# Altium PCB PCB_CARTE_SON.PcbDoc (part 5 of 5)
Units mil, origin at the board's own origin, x right, y up, seen from the top; angles counter-clockwise.
Board outline 6000 x 4000 mil, 2 copper layers (Top Layer, Bottom Layer); 1714 components, 935 nets, 4585 pads, 9 vias.
Unrouted connection lines stored in the file: 2325.
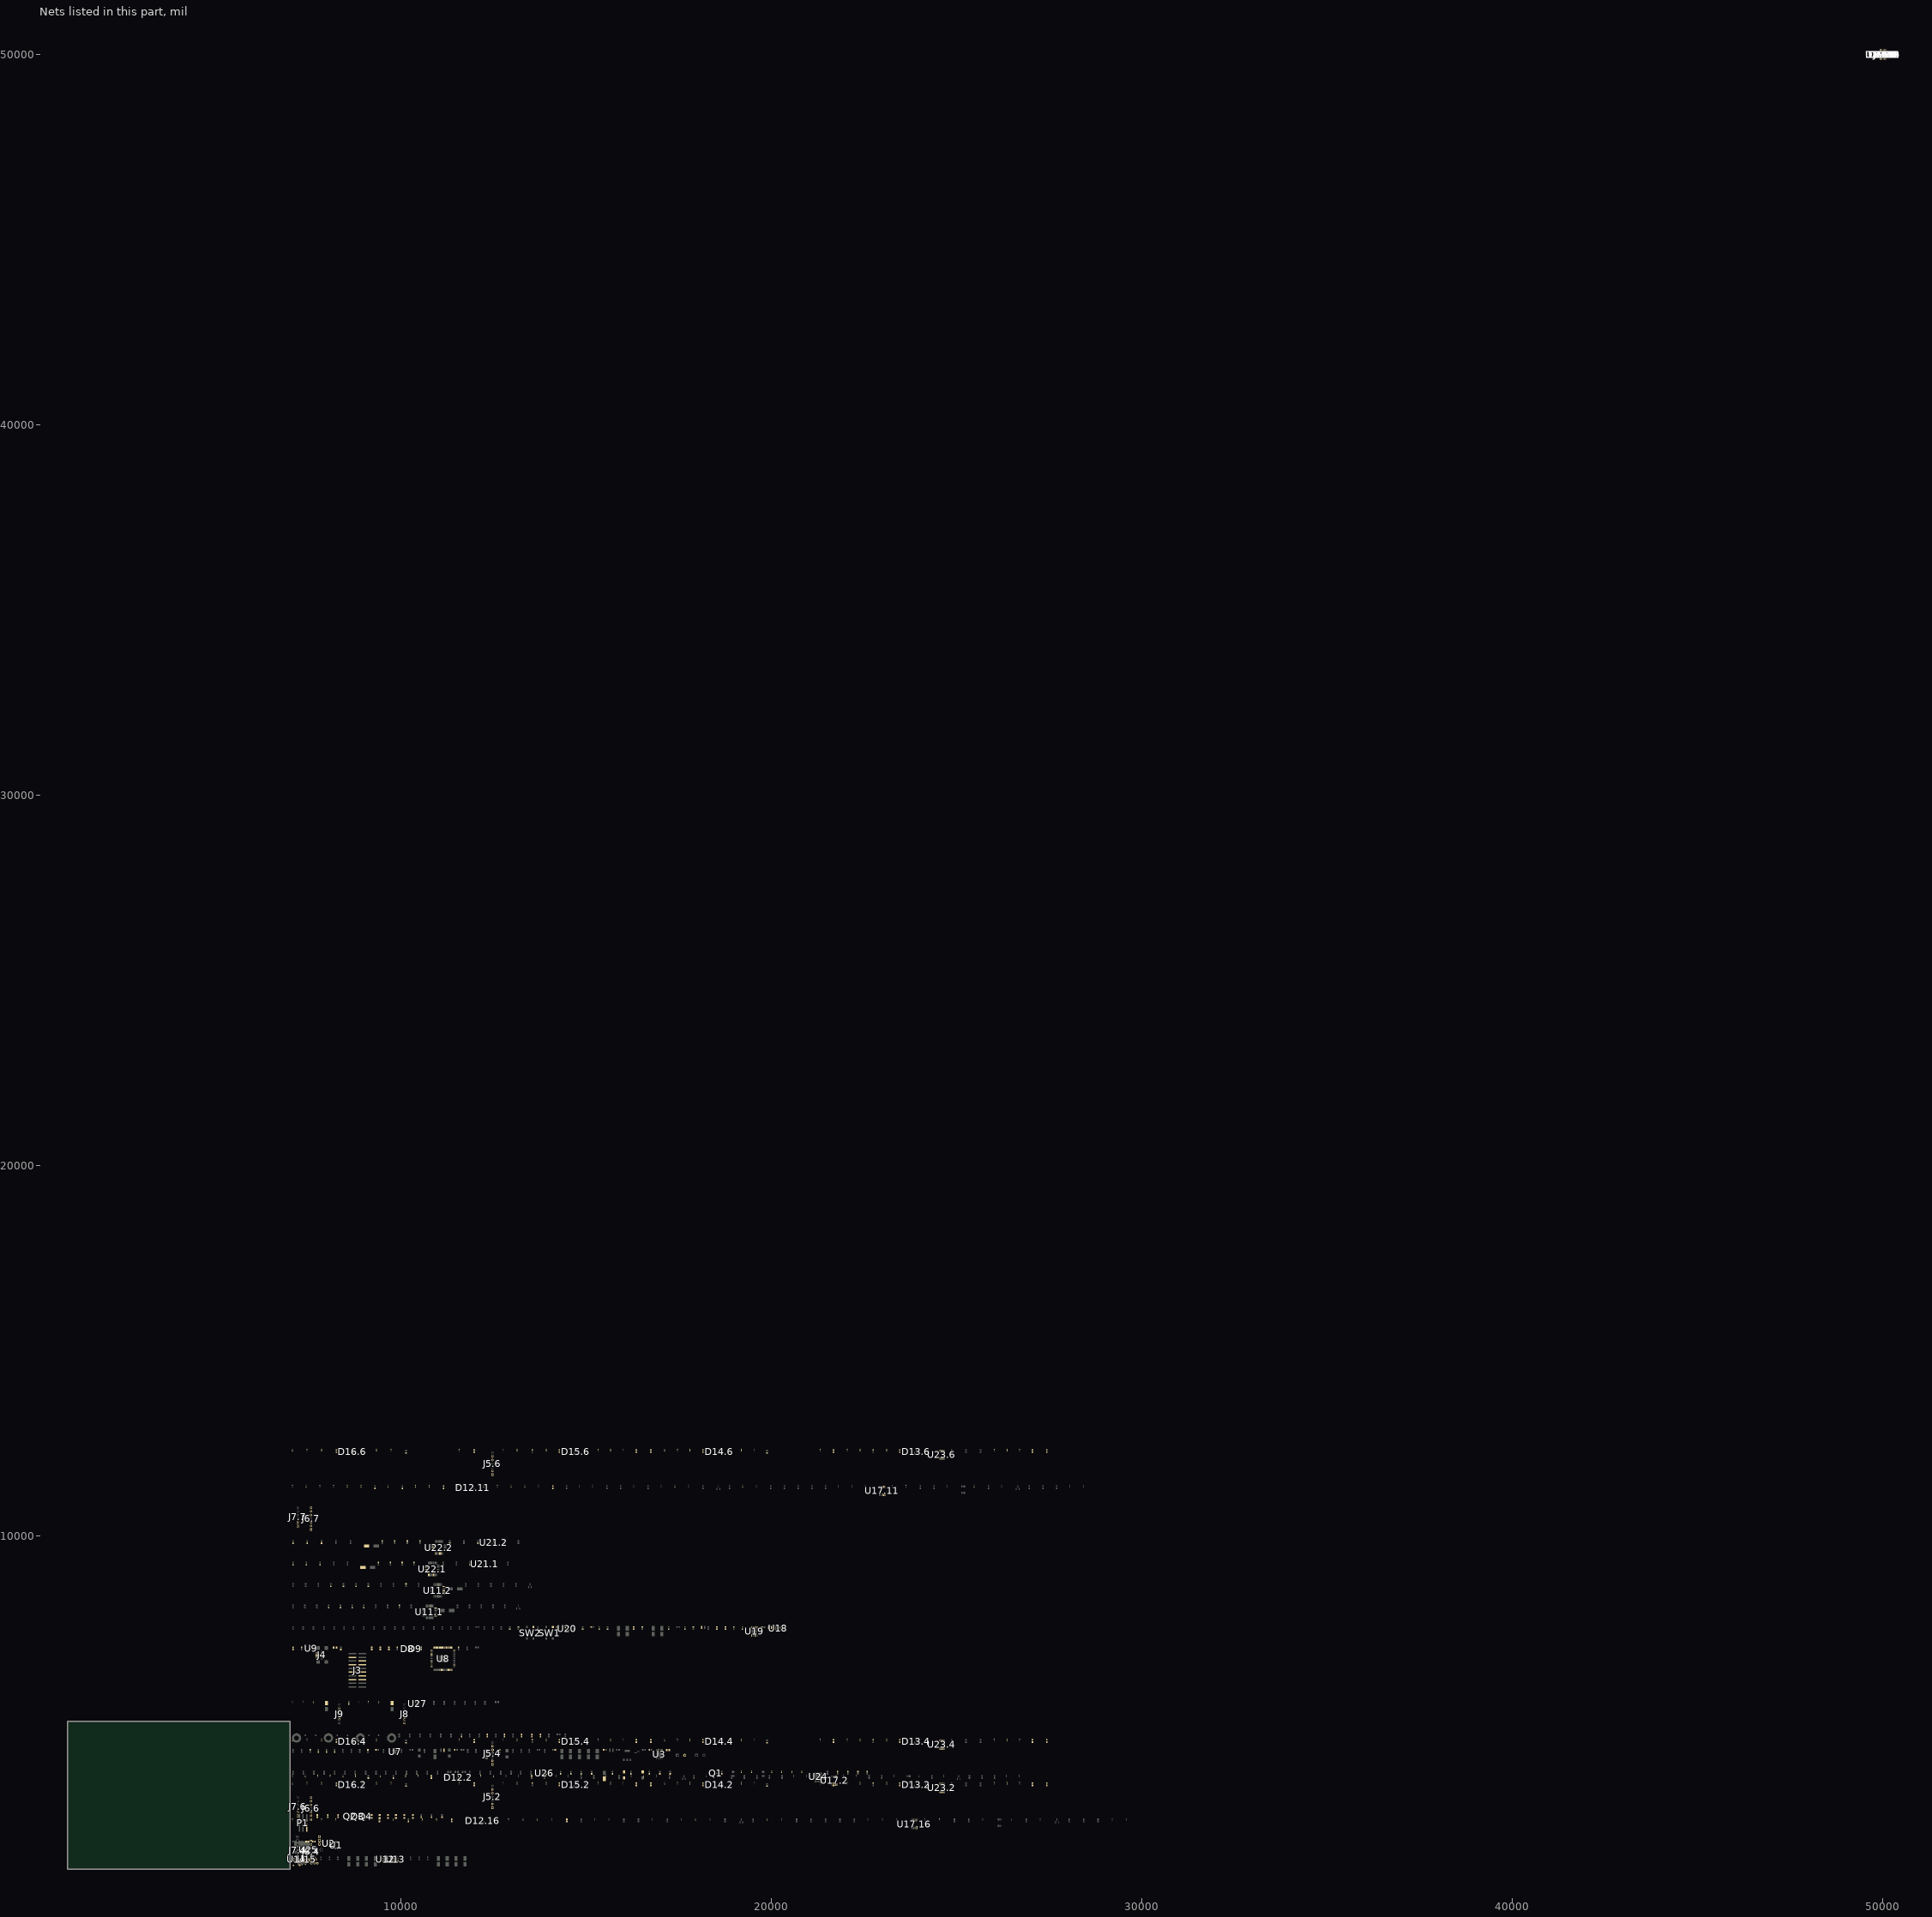
[diagram p5: the nets of this part, all layers, seen from the top]

## Via types
v1: diameter 19.68, hole 7.87, Top Layer to Bottom Layer, 9 vias

## Nets (pads, with @x,y where several pads share a name; then routed paths per layer and width w, separated by ;. In a path a pad name is that pad's centre, name@x,y a point inside that pad or via, vN(x,y) a via of type N, cw(c..) or ccw(c..) an arc to the next point about the centre after c; other vN are vias at no path point) (continued)
NetC72.11_1: C72.11.1 R53.11.1 R58.11.1 R60.11.2 R63.11.2 U17.11.6
NetC72.12_1: C72.12.1 R53.12.1 R58.12.1 R60.12.2 R63.12.2 U17.12.6
NetC72.13_1: C72.13.1 R53.13.1 R58.13.1 R60.13.2 R63.13.2 U17.13.6
NetC72.14_1: C72.14.1 R53.14.1 R58.14.1 R60.14.2 R63.14.2 U17.14.6
NetC72.15_1: C72.15.1 R53.15.1 R58.15.1 R60.15.2 R63.15.2 U17.15.6
NetC72.16_1: C72.16.1 R53.16.1 R58.16.1 R60.16.2 R63.16.2 U17.16.6
NetC73.1_2: C73.1.2 R56.1.1 U17.1.12
NetC73.2_2: C73.2.2 R56.2.1 U17.2.12
NetC73.3_2: C73.3.2 R56.3.1 U17.3.12
NetC73.4_2: C73.4.2 R56.4.1 U17.4.12
NetC73.5_2: C73.5.2 R56.5.1 U17.5.12
NetC73.6_2: C73.6.2 R56.6.1 U17.6.12
NetC73.7_2: C73.7.2 R56.7.1 U17.7.12
NetC73.8_2: C73.8.2 R56.8.1 U17.8.12
NetC73.9_2: C73.9.2 R56.9.1 U17.9.12
NetC73.10_2: C73.10.2 R56.10.1 U17.10.12
NetC73.11_2: C73.11.2 R56.11.1 U17.11.12
NetC73.12_2: C73.12.2 R56.12.1 U17.12.12
NetC73.13_2: C73.13.2 R56.13.1 U17.13.12
NetC73.14_2: C73.14.2 R56.14.1 U17.14.12
NetC73.15_2: C73.15.2 R56.15.1 U17.15.12
NetC73.16_2: C73.16.2 R56.16.1 U17.16.12
NetC74.1_1: C74.1.1 J6.1.7
NetC74.1_2: C74.1.2 C76.1.1 R57.1.2 R59.1.1
NetC74.2_1: C74.2.1 J6.1.3
NetC74.2_2: C74.2.2 C76.2.1 R57.2.2 R59.2.1
NetC74.3_1: C74.3.1 J6.2.7
NetC74.3_2: C74.3.2 C76.3.1 R57.3.2 R59.3.1
NetC74.4_1: C74.4.1 J6.2.3
NetC74.4_2: C74.4.2 C76.4.1 R57.4.2 R59.4.1
NetC74.5_1: C74.5.1 J6.3.7
NetC74.5_2: C74.5.2 C76.5.1 R57.5.2 R59.5.1
NetC74.6_1: C74.6.1 J6.3.3
NetC74.6_2: C74.6.2 C76.6.1 R57.6.2 R59.6.1
NetC74.7_1: C74.7.1 J6.4.7
NetC74.7_2: C74.7.2 C76.7.1 R57.7.2 R59.7.1
NetC74.8_1: C74.8.1 J6.4.3
NetC74.8_2: C74.8.2 C76.8.1 R57.8.2 R59.8.1
NetC74.9_1: C74.9.1 J6.5.7
NetC74.9_2: C74.9.2 C76.9.1 R57.9.2 R59.9.1
NetC74.10_1: C74.10.1 J6.5.3
NetC74.10_2: C74.10.2 C76.10.1 R57.10.2 R59.10.1
NetC74.11_1: C74.11.1 J6.6.7
NetC74.11_2: C74.11.2 C76.11.1 R57.11.2 R59.11.1
NetC74.12_1: C74.12.1 J6.6.3
NetC74.12_2: C74.12.2 C76.12.1 R57.12.2 R59.12.1
NetC74.13_1: C74.13.1 J6.7.7
NetC74.13_2: C74.13.2 C76.13.1 R57.13.2 R59.13.1
NetC74.14_1: C74.14.1 J6.7.3
NetC74.14_2: C74.14.2 C76.14.1 R57.14.2 R59.14.1
NetC74.15_1: C74.15.1 J6.8.7
NetC74.15_2: C74.15.2 C76.15.1 R57.15.2 R59.15.1
NetC74.16_1: C74.16.1 J6.8.3
NetC74.16_2: C74.16.2 C76.16.1 R57.16.2 R59.16.1
NetC75.1_1: C75.1.1 R61.1.1 R64.1.1 R65.1.2 U17.1.9
NetC75.2_1: C75.2.1 R61.2.1 R64.2.1 R65.2.2 U17.2.9
NetC75.3_1: C75.3.1 R61.3.1 R64.3.1 R65.3.2 U17.3.9
NetC75.4_1: C75.4.1 R61.4.1 R64.4.1 R65.4.2 U17.4.9
NetC75.5_1: C75.5.1 R61.5.1 R64.5.1 R65.5.2 U17.5.9
NetC75.6_1: C75.6.1 R61.6.1 R64.6.1 R65.6.2 U17.6.9
NetC75.7_1: C75.7.1 R61.7.1 R64.7.1 R65.7.2 U17.7.9
NetC75.8_1: C75.8.1 R61.8.1 R64.8.1 R65.8.2 U17.8.9
NetC75.9_1: C75.9.1 R61.9.1 R64.9.1 R65.9.2 U17.9.9
NetC75.10_1: C75.10.1 R61.10.1 R64.10.1 R65.10.2 U17.10.9
NetC75.11_1: C75.11.1 R61.11.1 R64.11.1 R65.11.2 U17.11.9
NetC75.12_1: C75.12.1 R61.12.1 R64.12.1 R65.12.2 U17.12.9
NetC75.13_1: C75.13.1 R61.13.1 R64.13.1 R65.13.2 U17.13.9
NetC75.14_1: C75.14.1 R61.14.1 R64.14.1 R65.14.2 U17.14.9
NetC75.15_1: C75.15.1 R61.15.1 R64.15.1 R65.15.2 U17.15.9
NetC75.16_1: C75.16.1 R61.16.1 R64.16.1 R65.16.2 U17.16.9
NetC77_2: C77.2 U19.8
NetC78_1: C78.1 U19.1
NetC78_2: C78.2 L6.1 U19.3
NetC80_1: C80.1 L4.2 L5.1 R67.1
NetC84_1: C84.1 C87.1 U19.6
NetC84_2: C84.2 R72.1
NetC88_1: C88.1 R68.2 R71.1 U18.6
NetC89_1: C89.1 R76.2 U8.103
NetC117.1_1: C117.1.1 C118.1.1 U21.1.2 U22.1.4
NetC117.2_1: C117.2.1 C118.2.1 U21.2.2 U22.2.4
NetC119.1_+: C119.1.+ C123.1.1 U22.1.20
NetC119.2_+: C119.2.+ C123.2.1 U22.2.20
NetC121.1_1: C121.1.1 C122.1.1 U22.1.21
NetC121.2_1: C121.2.1 C122.2.1 U22.2.21
NetC125.1_1: C125.1.1 R82.1.2 R84.1.1 U23.1.3
NetC125.1_2: C125.1.2 C126.1.1 C130.1.1 D13.1.3 R82.1.1 R91.1.2 R130.2 U23.1.1
NetC125.2_1: C125.2.1 R82.2.2 R84.2.1 U23.2.3
NetC125.2_2: C125.2.2 C126.2.1 C130.2.1 D13.2.3 R82.2.1 R91.2.2 U23.2.1
NetC125.3_1: C125.3.1 R82.3.2 R84.3.1 U23.3.3
NetC125.3_2: C125.3.2 C126.3.1 C130.3.1 D13.3.3 R82.3.1 R91.3.2 U23.3.1
NetC125.4_1: C125.4.1 R82.4.2 R84.4.1 U23.4.3
NetC125.4_2: C125.4.2 C126.4.1 C130.4.1 D13.4.3 R82.4.1 R91.4.2 U23.4.1
NetC125.5_1: C125.5.1 R82.5.2 R84.5.1 U23.5.3
NetC125.5_2: C125.5.2 C126.5.1 C130.5.1 D13.5.3 R82.5.1 R91.5.2 U23.5.1
NetC125.6_1: C125.6.1 R82.6.2 R84.6.1 U23.6.3
NetC125.6_2: C125.6.2 C126.6.1 C130.6.1 D13.6.3 R82.6.1 R91.6.2 U23.6.1
NetC125.7_1: C125.7.1 R82.7.2 R84.7.1 U23.7.3
NetC125.7_2: C125.7.2 C126.7.1 C130.7.1 D13.7.3 R82.7.1 R91.7.2 U23.7.1
NetC125.8_1: C125.8.1 R82.8.2 R84.8.1 U23.8.3
NetC125.8_2: C125.8.2 C126.8.1 C130.8.1 D13.8.3 R82.8.1 R91.8.2 U23.8.1
NetC126.1_2: C126.1.2 R81.1.2 R83.1.2
NetC126.2_2: C126.2.2 R81.2.2 R83.2.2
NetC126.3_2: C126.3.2 R81.3.2 R83.3.2
NetC126.4_2: C126.4.2 R81.4.2 R83.4.2
NetC126.5_2: C126.5.2 R81.5.2 R83.5.2
NetC126.6_2: C126.6.2 R81.6.2 R83.6.2
NetC126.7_2: C126.7.2 R81.7.2 R83.7.2
NetC126.8_2: C126.8.2 R81.8.2 R83.8.2
NetC130.1_2: C130.1.2 R85.1.2 R87.1.2
NetC130.2_2: C130.2.2 R85.2.2 R87.2.2
NetC130.3_2: C130.3.2 R85.3.2 R87.3.2
NetC130.4_2: C130.4.2 R85.4.2 R87.4.2
NetC130.5_2: C130.5.2 R85.5.2 R87.5.2
NetC130.6_2: C130.6.2 R85.6.2 R87.6.2
NetC130.7_2: C130.7.2 R85.7.2 R87.7.2
NetC130.8_2: C130.8.2 R85.8.2 R87.8.2
NetC131.1_2: C131.1.2 R86.1.1 R88.1.2
NetC131.2_2: C131.2.2 R86.2.1 R88.2.2
NetC131.3_2: C131.3.2 R86.3.1 R88.3.2
NetC131.4_2: C131.4.2 R86.4.1 R88.4.2
NetC131.5_2: C131.5.2 R86.5.1 R88.5.2
NetC131.6_2: C131.6.2 R86.6.1 R88.6.2
NetC131.7_2: C131.7.2 R86.7.1 R88.7.2
NetC131.8_2: C131.8.2 R86.8.1 R88.8.2
NetC132.1_1: C132.1.1 R90.1.2 R91.1.1 U23.1.6
NetC132.1_2: C132.1.2 C134.1.1 D14.1.3 R90.1.1 U23.1.7
NetC132.2_1: C132.2.1 R90.2.2 R91.2.1 U23.2.6
NetC132.2_2: C132.2.2 C134.2.1 D14.2.3 R90.2.1 U23.2.7
NetC132.3_1: C132.3.1 R90.3.2 R91.3.1 U23.3.6
NetC132.3_2: C132.3.2 C134.3.1 D14.3.3 R90.3.1 U23.3.7
NetC132.4_1: C132.4.1 R90.4.2 R91.4.1 U23.4.6
NetC132.4_2: C132.4.2 C134.4.1 D14.4.3 R90.4.1 U23.4.7
NetC132.5_1: C132.5.1 R90.5.2 R91.5.1 U23.5.6
NetC132.5_2: C132.5.2 C134.5.1 D14.5.3 R90.5.1 U23.5.7
NetC132.6_1: C132.6.1 R90.6.2 R91.6.1 U23.6.6
NetC132.6_2: C132.6.2 C134.6.1 D14.6.3 R90.6.1 U23.6.7
NetC132.7_1: C132.7.1 R90.7.2 R91.7.1 U23.7.6
NetC132.7_2: C132.7.2 C134.7.1 D14.7.3 R90.7.1 U23.7.7
NetC132.8_1: C132.8.1 R90.8.2 R91.8.1 U23.8.6
NetC132.8_2: C132.8.2 C134.8.1 D14.8.3 R90.8.1 U23.8.7
NetC132_U_OutputConnectors1_1: C132_U_OutputConnectors1.1 R86.1.2 R89.1.2 U23.1.2
NetC132_U_OutputConnectors2_1: C132_U_OutputConnectors2.1 R86.2.2 R89.2.2 U23.2.2
NetC132_U_OutputConnectors3_1: C132_U_OutputConnectors3.1 R86.3.2 R89.3.2 U23.3.2
NetC132_U_OutputConnectors4_1: C132_U_OutputConnectors4.1 R86.4.2 R89.4.2 U23.4.2
NetC132_U_OutputConnectors5_1: C132_U_OutputConnectors5.1 R86.5.2 R89.5.2 U23.5.2
NetC132_U_OutputConnectors6_1: C132_U_OutputConnectors6.1 R86.6.2 R89.6.2 U23.6.2
NetC132_U_OutputConnectors7_1: C132_U_OutputConnectors7.1 R86.7.2 R89.7.2 U23.7.2
NetC132_U_OutputConnectors8_1: C132_U_OutputConnectors8.1 R86.8.2 R89.8.2 U23.8.2
NetC134.1_2: C134.1.2 R92.1.2 R93.1.2
NetC134.2_2: C134.2.2 R92.2.2 R93.2.2
NetC134.3_2: C134.3.2 R92.3.2 R93.3.2
NetC134.4_2: C134.4.2 R92.4.2 R93.4.2
NetC134.5_2: C134.5.2 R92.5.2 R93.5.2
NetC134.6_2: C134.6.2 R92.6.2 R93.6.2
NetC134.7_2: C134.7.2 R92.7.2 R93.7.2
NetC134.8_2: C134.8.2 R92.8.2 R93.8.2
NetC135.1_1: C135.1.1 R96.1.2 R98.1.1 U23.1.13
NetC135.1_2: C135.1.2 C136.1.1 C137.1.1 D15.1.3 R96.1.1 R105.1.2 R133.2 U23.1.14
NetC135.2_1: C135.2.1 R96.2.2 R98.2.1 U23.2.13
NetC135.2_2: C135.2.2 C136.2.1 C137.2.1 D15.2.3 R96.2.1 R105.2.2 U23.2.14
NetC135.3_1: C135.3.1 R96.3.2 R98.3.1 U23.3.13
NetC135.3_2: C135.3.2 C136.3.1 C137.3.1 D15.3.3 R96.3.1 R105.3.2 U23.3.14
NetC135.4_1: C135.4.1 R96.4.2 R98.4.1 U23.4.13
NetC135.4_2: C135.4.2 C136.4.1 C137.4.1 D15.4.3 R96.4.1 R105.4.2 U23.4.14
NetC135.5_1: C135.5.1 R96.5.2 R98.5.1 U23.5.13
NetC135.5_2: C135.5.2 C136.5.1 C137.5.1 D15.5.3 R96.5.1 R105.5.2 U23.5.14
NetC135.6_1: C135.6.1 R96.6.2 R98.6.1 U23.6.13
NetC135.6_2: C135.6.2 C136.6.1 C137.6.1 D15.6.3 R96.6.1 R105.6.2 U23.6.14
NetC135.7_1: C135.7.1 R96.7.2 R98.7.1 U23.7.13
NetC135.7_2: C135.7.2 C136.7.1 C137.7.1 D15.7.3 R96.7.1 R105.7.2 U23.7.14
NetC135.8_1: C135.8.1 R96.8.2 R98.8.1 U23.8.13
NetC135.8_2: C135.8.2 C136.8.1 C137.8.1 D15.8.3 R96.8.1 R105.8.2 U23.8.14
NetC136.1_2: C136.1.2 R95.1.2 R97.1.2
NetC136.2_2: C136.2.2 R95.2.2 R97.2.2
NetC136.3_2: C136.3.2 R95.3.2 R97.3.2
NetC136.4_2: C136.4.2 R95.4.2 R97.4.2
NetC136.5_2: C136.5.2 R95.5.2 R97.5.2
NetC136.6_2: C136.6.2 R95.6.2 R97.6.2
NetC136.7_2: C136.7.2 R95.7.2 R97.7.2
NetC136.8_2: C136.8.2 R95.8.2 R97.8.2
NetC137.1_2: C137.1.2 R99.1.2 R101.1.2
NetC137.2_2: C137.2.2 R99.2.2 R101.2.2
NetC137.3_2: C137.3.2 R99.3.2 R101.3.2
NetC137.4_2: C137.4.2 R99.4.2 R101.4.2
NetC137.5_2: C137.5.2 R99.5.2 R101.5.2
NetC137.6_2: C137.6.2 R99.6.2 R101.6.2
NetC137.7_2: C137.7.2 R99.7.2 R101.7.2
NetC137.8_2: C137.8.2 R99.8.2 R101.8.2
NetC138.1_2: C138.1.2 R100.1.1 R102.1.2
NetC138.2_2: C138.2.2 R100.2.1 R102.2.2
NetC138.3_2: C138.3.2 R100.3.1 R102.3.2
NetC138.4_2: C138.4.2 R100.4.1 R102.4.2
NetC138.5_2: C138.5.2 R100.5.1 R102.5.2
NetC138.6_2: C138.6.2 R100.6.1 R102.6.2
NetC138.7_2: C138.7.2 R100.7.1 R102.7.2
NetC138.8_2: C138.8.2 R100.8.1 R102.8.2
NetC139.1_1: C139.1.1 R104.1.2 R105.1.1 U23.1.9
NetC139.1_2: C139.1.2 C141.1.1 D16.1.3 R104.1.1 U23.1.8
NetC139.2_1: C139.2.1 R104.2.2 R105.2.1 U23.2.9
NetC139.2_2: C139.2.2 C141.2.1 D16.2.3 R104.2.1 U23.2.8
NetC139.3_1: C139.3.1 R104.3.2 R105.3.1 U23.3.9
NetC139.3_2: C139.3.2 C141.3.1 D16.3.3 R104.3.1 U23.3.8
NetC139.4_1: C139.4.1 R104.4.2 R105.4.1 U23.4.9
NetC139.4_2: C139.4.2 C141.4.1 D16.4.3 R104.4.1 U23.4.8
NetC139.5_1: C139.5.1 R104.5.2 R105.5.1 U23.5.9
NetC139.5_2: C139.5.2 C141.5.1 D16.5.3 R104.5.1 U23.5.8
NetC139.6_1: C139.6.1 R104.6.2 R105.6.1 U23.6.9
NetC139.6_2: C139.6.2 C141.6.1 D16.6.3 R104.6.1 U23.6.8
NetC139.7_1: C139.7.1 R104.7.2 R105.7.1 U23.7.9
NetC139.7_2: C139.7.2 C141.7.1 D16.7.3 R104.7.1 U23.7.8
NetC139.8_1: C139.8.1 R104.8.2 R105.8.1 U23.8.9
NetC139.8_2: C139.8.2 C141.8.1 D16.8.3 R104.8.1 U23.8.8
NetC139_U_OutputConnectors1_1: C139_U_OutputConnectors1.1 R100.1.2 R103.1.2 U23.1.12
NetC139_U_OutputConnectors2_1: C139_U_OutputConnectors2.1 R100.2.2 R103.2.2 U23.2.12
NetC139_U_OutputConnectors3_1: C139_U_OutputConnectors3.1 R100.3.2 R103.3.2 U23.3.12
NetC139_U_OutputConnectors4_1: C139_U_OutputConnectors4.1 R100.4.2 R103.4.2 U23.4.12
NetC139_U_OutputConnectors5_1: C139_U_OutputConnectors5.1 R100.5.2 R103.5.2 U23.5.12
NetC139_U_OutputConnectors6_1: C139_U_OutputConnectors6.1 R100.6.2 R103.6.2 U23.6.12
NetC139_U_OutputConnectors7_1: C139_U_OutputConnectors7.1 R100.7.2 R103.7.2 U23.7.12
NetC139_U_OutputConnectors8_1: C139_U_OutputConnectors8.1 R100.8.2 R103.8.2 U23.8.12
NetC141.1_2: C141.1.2 R106.1.2 R107.1.2
NetC141.2_2: C141.2.2 R106.2.2 R107.2.2
NetC141.3_2: C141.3.2 R106.3.2 R107.3.2
NetC141.4_2: C141.4.2 R106.4.2 R107.4.2
NetC141.5_2: C141.5.2 R106.5.2 R107.5.2
NetC141.6_2: C141.6.2 R106.6.2 R107.6.2
NetC141.7_2: C141.7.2 R106.7.2 R107.7.2
NetC141.8_2: C141.8.2 R106.8.2 R107.8.2
NetC142_1: C142.1 U25.12
NetC143_1: C143.1 U25.6
NetC145_1: C145.1 U25.1
NetC146_1: C146.1 U25.7
NetC176_-: C176.- J8.1
NetC178_-: C178.- J8.2
NetD1_1: D1.1 R4.2
NetD2_A: D2.A D3.A R6.1
NetD6_1: D6.1 L2.2 U7.4 U7.5 U7.6
NetD8_1: D8.1 D9.1 R22.2 TP19.1 TP19.2 U8.123 U8.124
NetD9_2: D9.2 D9.3 SW1.1 SW2.1 U20.1
NetD12.1_3: D12.1.3 R57.1.1 R58.1.2
NetD12.2_3: D12.2.3 R57.2.1 R58.2.2
NetD12.3_3: D12.3.3 R57.3.1 R58.3.2
NetD12.4_3: D12.4.3 R57.4.1 R58.4.2
NetD12.5_3: D12.5.3 R57.5.1 R58.5.2
NetD12.6_3: D12.6.3 R57.6.1 R58.6.2
NetD12.7_3: D12.7.3 R57.7.1 R58.7.2
NetD12.8_3: D12.8.3 R57.8.1 R58.8.2
NetD12.9_3: D12.9.3 R57.9.1 R58.9.2
NetD12.10_3: D12.10.3 R57.10.1 R58.10.2
NetD12.11_3: D12.11.3 R57.11.1 R58.11.2
NetD12.12_3: D12.12.3 R57.12.1 R58.12.2
NetD12.13_3: D12.13.3 R57.13.1 R58.13.2
NetD12.14_3: D12.14.3 R57.14.1 R58.14.2
NetD12.15_3: D12.15.3 R57.15.1 R58.15.2
NetD12.16_3: D12.16.3 R57.16.1 R58.16.2
NetD19_A: D19.A D20.A R135.1
NetD19_K: D19.K D20.K Q2.D
NetD21_A: D21.A D22.A R136.1
NetD21_K: D21.K D22.K Q3.D
NetD23_A: D23.A D24.A R137.1
NetD23_K: D23.K D24.K Q4.D
NetJ2_2: J2.2 R4.1
NetJ4_1: J4.1 L3.2
NetJ4_4: J4.4 R28.1
NetJ6.1_1: J6.1.1 R37.2.1
NetJ6.1_2: J6.1.2 R46.2.1
NetJ6.1_5: J6.1.5 R37.1.1
NetJ6.1_6: J6.1.6 R46.1.1
NetJ6.2_1: J6.2.1 R37.4.1
NetJ6.2_2: J6.2.2 R46.4.1
NetJ6.2_5: J6.2.5 R37.3.1
NetJ6.2_6: J6.2.6 R46.3.1
NetJ6.3_1: J6.3.1 R37.6.1
NetJ6.3_2: J6.3.2 R46.6.1
NetJ6.3_5: J6.3.5 R37.5.1
NetJ6.3_6: J6.3.6 R46.5.1
NetJ6.4_1: J6.4.1 R37.8.1
NetJ6.4_2: J6.4.2 R46.8.1
NetJ6.4_5: J6.4.5 R37.7.1
NetJ6.4_6: J6.4.6 R46.7.1
NetJ6.5_1: J6.5.1 R37.10.1
NetJ6.5_2: J6.5.2 R46.10.1
NetJ6.5_5: J6.5.5 R37.9.1
NetJ6.5_6: J6.5.6 R46.9.1
NetJ6.6_1: J6.6.1 R37.12.1
NetJ6.6_2: J6.6.2 R46.12.1
NetJ6.6_5: J6.6.5 R37.11.1
NetJ6.6_6: J6.6.6 R46.11.1
NetJ6.7_1: J6.7.1 R37.14.1
NetJ6.7_2: J6.7.2 R46.14.1
NetJ6.7_5: J6.7.5 R37.13.1
NetJ6.7_6: J6.7.6 R46.13.1
NetJ6.8_1: J6.8.1 R37.16.1
NetJ6.8_2: J6.8.2 R46.16.1
NetJ6.8_5: J6.8.5 R37.15.1
NetJ6.8_6: J6.8.6 R46.15.1
NetL4_1: L4.1 U18.3
NetP1_5: P1.5
NetQ1_G: Q1.G U24.43
NetQ2_G: Q2.G R138.2
NetQ3_G: Q3.G R139.2
NetQ4_G: Q4.G R140.2
NetR1_1: R1.1 R3.1 U1.7 U2.3
NetR1_2: R1.2 U8.125
NetR2_1: R2.1 R3.2 U1.3
NetR5_1: R5.1 U3.7
NetR7_2: R7.2 R9.1 U3.5
NetR11_1: R11.1 R14.1 U7.2
NetR12_2: R12.2 R16.1 U7.13
NetR15_1: R15.1 U7.1
NetR17_2: R17.2 U7.14
NetR19_1: R19.1 U8.93
NetR23_2: R23.2 U8.64
NetR24_2: R24.2 U8.66
NetR25_2: R25.2 U8.10
NetR26_2: R26.2 U8.12
NetR27_2: R27.2 U8.48
NetR28_2: R28.2 U8.43
NetR29.1_2: R29.1.2 R29.2.2 TP10.1 TP10.2 U8.96 U11.1.36 U11.2.36
NetR30.1_1: R30.1.1 U11.1.30
NetR30.2_1: R30.2.1 U11.2.30
NetR31.1_1: R31.1.1 U11.1.27
NetR31.2_1: R31.2.1 U11.2.27
NetR32.1_1: R32.1.1 U11.1.31
NetR32.2_1: R32.2.1 U11.2.31
NetR33.1_1: R33.1.1 U11.1.26
NetR33.2_1: R33.2.1 U11.2.26
NetR55.1_2: R55.1.2 U17.1.5
NetR55.2_2: R55.2.2 U17.2.5
NetR55.3_2: R55.3.2 U17.3.5
NetR55.4_2: R55.4.2 U17.4.5
NetR55.5_2: R55.5.2 U17.5.5
NetR55.6_2: R55.6.2 U17.6.5
NetR55.7_2: R55.7.2 U17.7.5
NetR55.8_2: R55.8.2 U17.8.5
NetR55.9_2: R55.9.2 U17.9.5
NetR55.10_2: R55.10.2 U17.10.5
NetR55.11_2: R55.11.2 U17.11.5
NetR55.12_2: R55.12.2 U17.12.5
NetR55.13_2: R55.13.2 U17.13.5
NetR55.14_2: R55.14.2 U17.14.5
NetR55.15_2: R55.15.2 U17.15.5
NetR55.16_2: R55.16.2 U17.16.5
NetR60.1_1: R60.1.1 U15.12
NetR60.2_1: R60.2.1 U15.5
NetR60.3_1: R60.3.1 U15.9
NetR60.4_1: R60.4.1 U15.2
NetR60.5_1: R60.5.1 U13.12
NetR60.6_1: R60.6.1 U13.5
NetR60.7_1: R60.7.1 U13.9
NetR60.8_1: R60.8.1 U13.2
NetR60.9_1: R60.9.1 U14.12
NetR60.10_1: R60.10.1 U14.5
NetR60.11_1: R60.11.1 U14.9
NetR60.12_1: R60.12.1 U14.2
NetR60.13_1: R60.13.1 U12.12
NetR60.14_1: R60.14.1 U12.5
NetR60.15_1: R60.15.1 U12.9
NetR60.16_1: R60.16.1 U12.2
NetR61.1_2: R61.1.2 U15.14
NetR61.2_2: R61.2.2 U15.7
NetR61.3_2: R61.3.2 U15.11
NetR61.4_2: R61.4.2 U15.4
NetR61.5_2: R61.5.2 U13.14
NetR61.6_2: R61.6.2 U13.7
NetR61.7_2: R61.7.2 U13.11
NetR61.8_2: R61.8.2 U13.4
NetR61.9_2: R61.9.2 U14.14
NetR61.10_2: R61.10.2 U14.7
NetR61.11_2: R61.11.2 U14.11
NetR61.12_2: R61.12.2 U14.4
NetR61.13_2: R61.13.2 U12.14
NetR61.14_2: R61.14.2 U12.7
NetR61.15_2: R61.15.2 U12.11
NetR61.16_2: R61.16.2 U12.4
NetR62.1_2: R62.1.2 U17.1.10
NetR62.2_2: R62.2.2 U17.2.10
NetR62.3_2: R62.3.2 U17.3.10
NetR62.4_2: R62.4.2 U17.4.10
NetR62.5_2: R62.5.2 U17.5.10
NetR62.6_2: R62.6.2 U17.6.10
NetR62.7_2: R62.7.2 U17.7.10
NetR62.8_2: R62.8.2 U17.8.10
NetR62.9_2: R62.9.2 U17.9.10
NetR62.10_2: R62.10.2 U17.10.10
NetR62.11_2: R62.11.2 U17.11.10
NetR62.12_2: R62.12.2 U17.12.10
NetR62.13_2: R62.13.2 U17.13.10
NetR62.14_2: R62.14.2 U17.14.10
NetR62.15_2: R62.15.2 U17.15.10
NetR62.16_2: R62.16.2 U17.16.10
NetR66_1: R66.1 U19.7
NetR67_2: R67.2 R69.1 U18.1
NetR70_2: R70.2 R73.1 U19.5
NetR74_2: R74.2 R75.1 U20.4
NetR77.1_2: R77.1.2 U22.1.6
NetR77.2_2: R77.2.2 U22.2.6
NetR78.1_2: R78.1.2 U22.1.7
NetR78.2_2: R78.2.2 U22.2.7
NetR79.1_2: R79.1.2 U22.1.9
NetR79.2_2: R79.2.2 U22.2.9
NetR80.1_2: R80.1.2 U22.1.8
NetR80.2_2: R80.2.2 U22.2.8
NetR94.1_1: R94.1.1 U23.1.5
NetR94.2_1: R94.2.1 U23.2.5
NetR94.3_1: R94.3.1 U23.3.5
NetR94.4_1: R94.4.1 U23.4.5
NetR94.5_1: R94.5.1 U23.5.5
NetR94.6_1: R94.6.1 U23.6.5
NetR94.7_1: R94.7.1 U23.7.5
NetR94.8_1: R94.8.1 U23.8.5
NetR108.1_1: R108.1.1 U23.1.10
NetR108.2_1: R108.2.1 U23.2.10
NetR108.3_1: R108.3.1 U23.3.10
NetR108.4_1: R108.4.1 U23.4.10
NetR108.5_1: R108.5.1 U23.5.10
NetR108.6_1: R108.6.1 U23.6.10
NetR108.7_1: R108.7.1 U23.7.10
NetR108.8_1: R108.8.1 U23.8.10
NetR114_2: R114.2 U24.35
NetR115_2: R115.2 U24.33
NetR116_2: R116.2 U24.32
NetR117_2: R117.2 U24.31
NetR119_2: R119.2 U24.28
NetR120_2: R120.2 U24.27
NetR122_1: R122.1 U25.16
NetR125_1: R125.1 U24.17 U25.15
NetR126_1: R126.1 U24.15 U25.17
NetR127_1: R127.1 U24.41
NetR128_2: R128.2 U24.48
NetR129_1: R129.1 U27.1
NetR132_1: R132.1 U27.5
NetR138_1: R138.1 U8.70
NetR139_1: R139.1 U8.71
NetR140_1: R140.1 U8.69
NetTP3_1: TP3.1 TP3.2
NetTP4_1: TP4.1 TP4.2
NetTP6_1: TP6.1 TP6.2 U8.95 U11.1.41 U11.2.41
NetU1_5: U1.5 U8.30
NetU8_20: U8.20
NetU8_21: U8.21
NetU8_57: U8.57
NetU8_58: U8.58
NetU8_59: U8.59
NetU8_61: U8.61
NetU8_68: U8.68
NetU8_72: U8.72
NetU8_74: U8.74
NetU8_85: U8.85
NetU8_86: U8.86
NetU8_94: U8.94 U22.1.19 U22.2.19
NetU8_97: U8.97
NetU8_98: U8.98
NetU8_99: U8.99
NetU8_100: U8.100
NetU22.1_11: U22.1.11
NetU22.1_13: U22.1.13
NetU22.1_14: U22.1.14
NetU22.2_11: U22.2.11
NetU22.2_13: U22.2.13
NetU22.2_14: U22.2.14
OSC_25MHZ: U24.46 U26.3
PHANTOM1_U_InputsConnectors1: J7.1.1 R39.2.2 R45.2.1
PHANTOM1_U_InputsConnectors2: J7.2.1 R39.4.2 R45.4.1
PHANTOM1_U_InputsConnectors3: J7.3.1 R39.6.2 R45.6.1
PHANTOM1_U_InputsConnectors4: J7.4.1 R39.8.2 R45.8.1
PHANTOM1_U_InputsConnectors5: J7.5.1 R39.10.2 R45.10.1
PHANTOM1_U_InputsConnectors6: J7.6.1 R39.12.2 R45.12.1
PHANTOM1_U_InputsConnectors7: J7.7.1 R39.14.2 R45.14.1
PHANTOM1_U_InputsConnectors8: J7.8.1 R39.16.2 R45.16.1
PHANTOM2_U_InputsConnectors1: J7.1.2 R39.1.2 R45.1.1
PHANTOM2_U_InputsConnectors2: J7.2.2 R39.3.2 R45.3.1
PHANTOM2_U_InputsConnectors3: J7.3.2 R39.5.2 R45.5.1
PHANTOM2_U_InputsConnectors4: J7.4.2 R39.7.2 R45.7.1
PHANTOM2_U_InputsConnectors5: J7.5.2 R39.9.2 R45.9.1
PHANTOM2_U_InputsConnectors6: J7.6.2 R39.11.2 R45.11.1
PHANTOM2_U_InputsConnectors7: J7.7.2 R39.13.2 R45.13.1
PHANTOM2_U_InputsConnectors8: J7.8.2 R39.15.2 R45.15.1
PHY_MDC: U8.122 U24.36
PHY_MDIO: U8.121 U24.37
PHY_RESET_N: D18.K U8.18
PHY_RX0: R112.2 R116.1 U8.116
PHY_RX1: R111.2 R117.1 U8.117
PHY_RX2: R110.2 R119.1 U8.118
PHY_RX3: R109.2 R120.1 U8.119
PHY_RX_CLK: R114.1 R123.1 U8.114
PHY_RX_DV: R115.1 U8.115
PHY_TX_CLK: U8.112 U24.24
PHY_TX_D0: U8.109 U24.19
PHY_TX_D1: U8.108 U24.20
PHY_TX_D3: U8.106 U24.22
PHY_TX_EN: U8.113 U24.25
PHY_TXD2: U8.107 U24.21
RESET_N: C144.+ D17.A D18.A R124.1 U24.42
SCLK: R24.1 TP8.1 TP8.2 U11.1.25 U11.2.25
TCK: J3.9 U8.128
TDI: J3.5 U8.2
TDO: J3.13 U8.1
TMS: J3.7 U8.127
TRD_1_N: U24.3 U25.10
TRD_1_P: U24.2 U25.11
TRD_2_N: U24.6 U25.5
TRD_2_P: U24.5 U25.4
TRD_3_N: U24.8 U25.2
TRD_3_P: U24.7 U25.3
TRD_4_N: U24.11 U25.9
TRD_4_P: U24.10 U25.8
USB_D_N: U8.47 U9.3
USB_D_P: U8.46 U9.1
USB_DA_N: J4.2 U9.4
USB_DA_P: J4.3 U9.6
V1_U_InputAmplifier1: C72.1.2 R54.1.1 U15.13 U17.1.7
V1_U_InputAmplifier2: C72.2.2 R54.2.1 U15.6 U17.2.7
V1_U_InputAmplifier3: C72.3.2 R54.3.1 U15.10 U17.3.7
V1_U_InputAmplifier4: C72.4.2 R54.4.1 U15.3 U17.4.7
V1_U_InputAmplifier5: C72.5.2 R54.5.1 U13.13 U17.5.7
V1_U_InputAmplifier6: C72.6.2 R54.6.1 U13.6 U17.6.7
V1_U_InputAmplifier7: C72.7.2 R54.7.1 U13.10 U17.7.7
V1_U_InputAmplifier8: C72.8.2 R54.8.1 U13.3 U17.8.7
V1_U_InputAmplifier9: C72.9.2 R54.9.1 U14.13 U17.9.7
V1_U_InputAmplifier10: C72.10.2 R54.10.1 U14.6 U17.10.7
V1_U_InputAmplifier11: C72.11.2 R54.11.1 U14.10 U17.11.7
V1_U_InputAmplifier12: C72.12.2 R54.12.1 U14.3 U17.12.7
V1_U_InputAmplifier13: C72.13.2 R54.13.1 U12.13 U17.13.7
V1_U_InputAmplifier14: C72.14.2 R54.14.1 U12.6 U17.14.7
V1_U_InputAmplifier15: C72.15.2 R54.15.1 U12.10 U17.15.7
V1_U_InputAmplifier16: C72.16.2 R54.16.1 U12.3 U17.16.7
VUSB: C26.1 L3.1 U8.45 U9.5
W1: C175.1 J9.2 U27.10
W2: C177.1 J9.5 U27.6
XL_DN0: J3.14 U8.9
XL_DN1: J3.18 U8.8
XL_UP0: J3.10 R25.1
XL_UP1: J3.6 R26.1
XLRA1_U_OutputConnectors1: J5.1.1 J5.1.2 R85.1.1
XLRA1_U_OutputConnectors2: J5.2.1 J5.2.2 R85.2.1
XLRA1_U_OutputConnectors3: J5.3.1 J5.3.2 R85.3.1
XLRA1_U_OutputConnectors4: J5.4.1 J5.4.2 R85.4.1
XLRA1_U_OutputConnectors5: J5.5.1 J5.5.2 R85.5.1
XLRA1_U_OutputConnectors6: J5.6.1 J5.6.2 R85.6.1
XLRA1_U_OutputConnectors7: J5.7.1 J5.7.2 R85.7.1
XLRA1_U_OutputConnectors8: J5.8.1 J5.8.2 R85.8.1
XLRA2_U_OutputConnectors1: R92.1.1
XLRA2_U_OutputConnectors2: R92.2.1
XLRA2_U_OutputConnectors3: R92.3.1
XLRA2_U_OutputConnectors4: R92.4.1
XLRA2_U_OutputConnectors5: R92.5.1
XLRA2_U_OutputConnectors6: R92.6.1
XLRA2_U_OutputConnectors7: R92.7.1
XLRA2_U_OutputConnectors8: R92.8.1
XLRB1_U_OutputConnectors1: J5.1.5 R99.1.1
XLRB1_U_OutputConnectors2: J5.2.5 R99.2.1
XLRB1_U_OutputConnectors3: J5.3.5 R99.3.1
XLRB1_U_OutputConnectors4: J5.4.5 R99.4.1
XLRB1_U_OutputConnectors5: J5.5.5 R99.5.1
XLRB1_U_OutputConnectors6: J5.6.5 R99.6.1
XLRB1_U_OutputConnectors7: J5.7.5 R99.7.1
XLRB1_U_OutputConnectors8: J5.8.5 R99.8.1
XLRB2_U_OutputConnectors1: J5.1.6 R106.1.1
XLRB2_U_OutputConnectors2: J5.2.6 R106.2.1
XLRB2_U_OutputConnectors3: J5.3.6 R106.3.1
XLRB2_U_OutputConnectors4: J5.4.6 R106.4.1
XLRB2_U_OutputConnectors5: J5.5.6 R106.5.1
XLRB2_U_OutputConnectors6: J5.6.6 R106.6.1
XLRB2_U_OutputConnectors7: J5.7.6 R106.7.1
XLRB2_U_OutputConnectors8: J5.8.6 R106.8.1
XSYS_RST_N: D8.2 D8.3 J3.15
pads on no net: FID1.0 FID2.0 FID3.0 FID4.0 FID5.0 FID6.0 J3.1 J3.2 J3.3 J3.11 J3.17 J3.19 J4. SW1.3 SW1.4 SW2.3 SW2.4 U1.4 U1.6 U8.22 U8.23 U8.25 U8.26 U8.31 U8.33 U8.34 U8.35 U8.39 U8.40 U8.50 U8.51 U8.53 U8.54 U8.55 U8.65 U8.75 U8.76 U8.77 U8.79 U8.82 U8.84 U12.25 U13.25 U14.25 U15.25 U22.1.22 U22.1.23 U22.1.26 U22.1.27 U22.1.30 U22.1.33 U22.1.36 U22.1.37 U22.1.40 U22.1.41 U22.2.22 U22.2.23 U22.2.26 U22.2.27 U22.2.30 U22.2.33 U22.2.36 U22.2.37 U22.2.40 U22.2.41 U24.45 U25. U25.13 U25.14

## Text inside footprints (layer, text, board x,y; h text height)
D2: Top Overlay "K" at 12504.68,4087.64 h40 r90
D3: Top Overlay "K" at 12674.68,4087.64 h40 r90
D19: Top Overlay "K" at 9219.68,2327.64 h40 r90
D20: Top Overlay "K" at 9439.68,2327.64 h40 r90
D21: Top Overlay "K" at 9669.68,2327.64 h40 r90
D22: Top Overlay "K" at 9879.68,2327.64 h40 r90
D23: Top Overlay "K" at 10109.68,2327.64 h40 r90
D24: Top Overlay "K" at 10339.68,2327.64 h40 r90
J3: Top Overlay "1" at 9120,5875 h70 r90
P1: Top Overlay "1" at 7205,1955 h70